# KiCad board raw.kicad_pcb
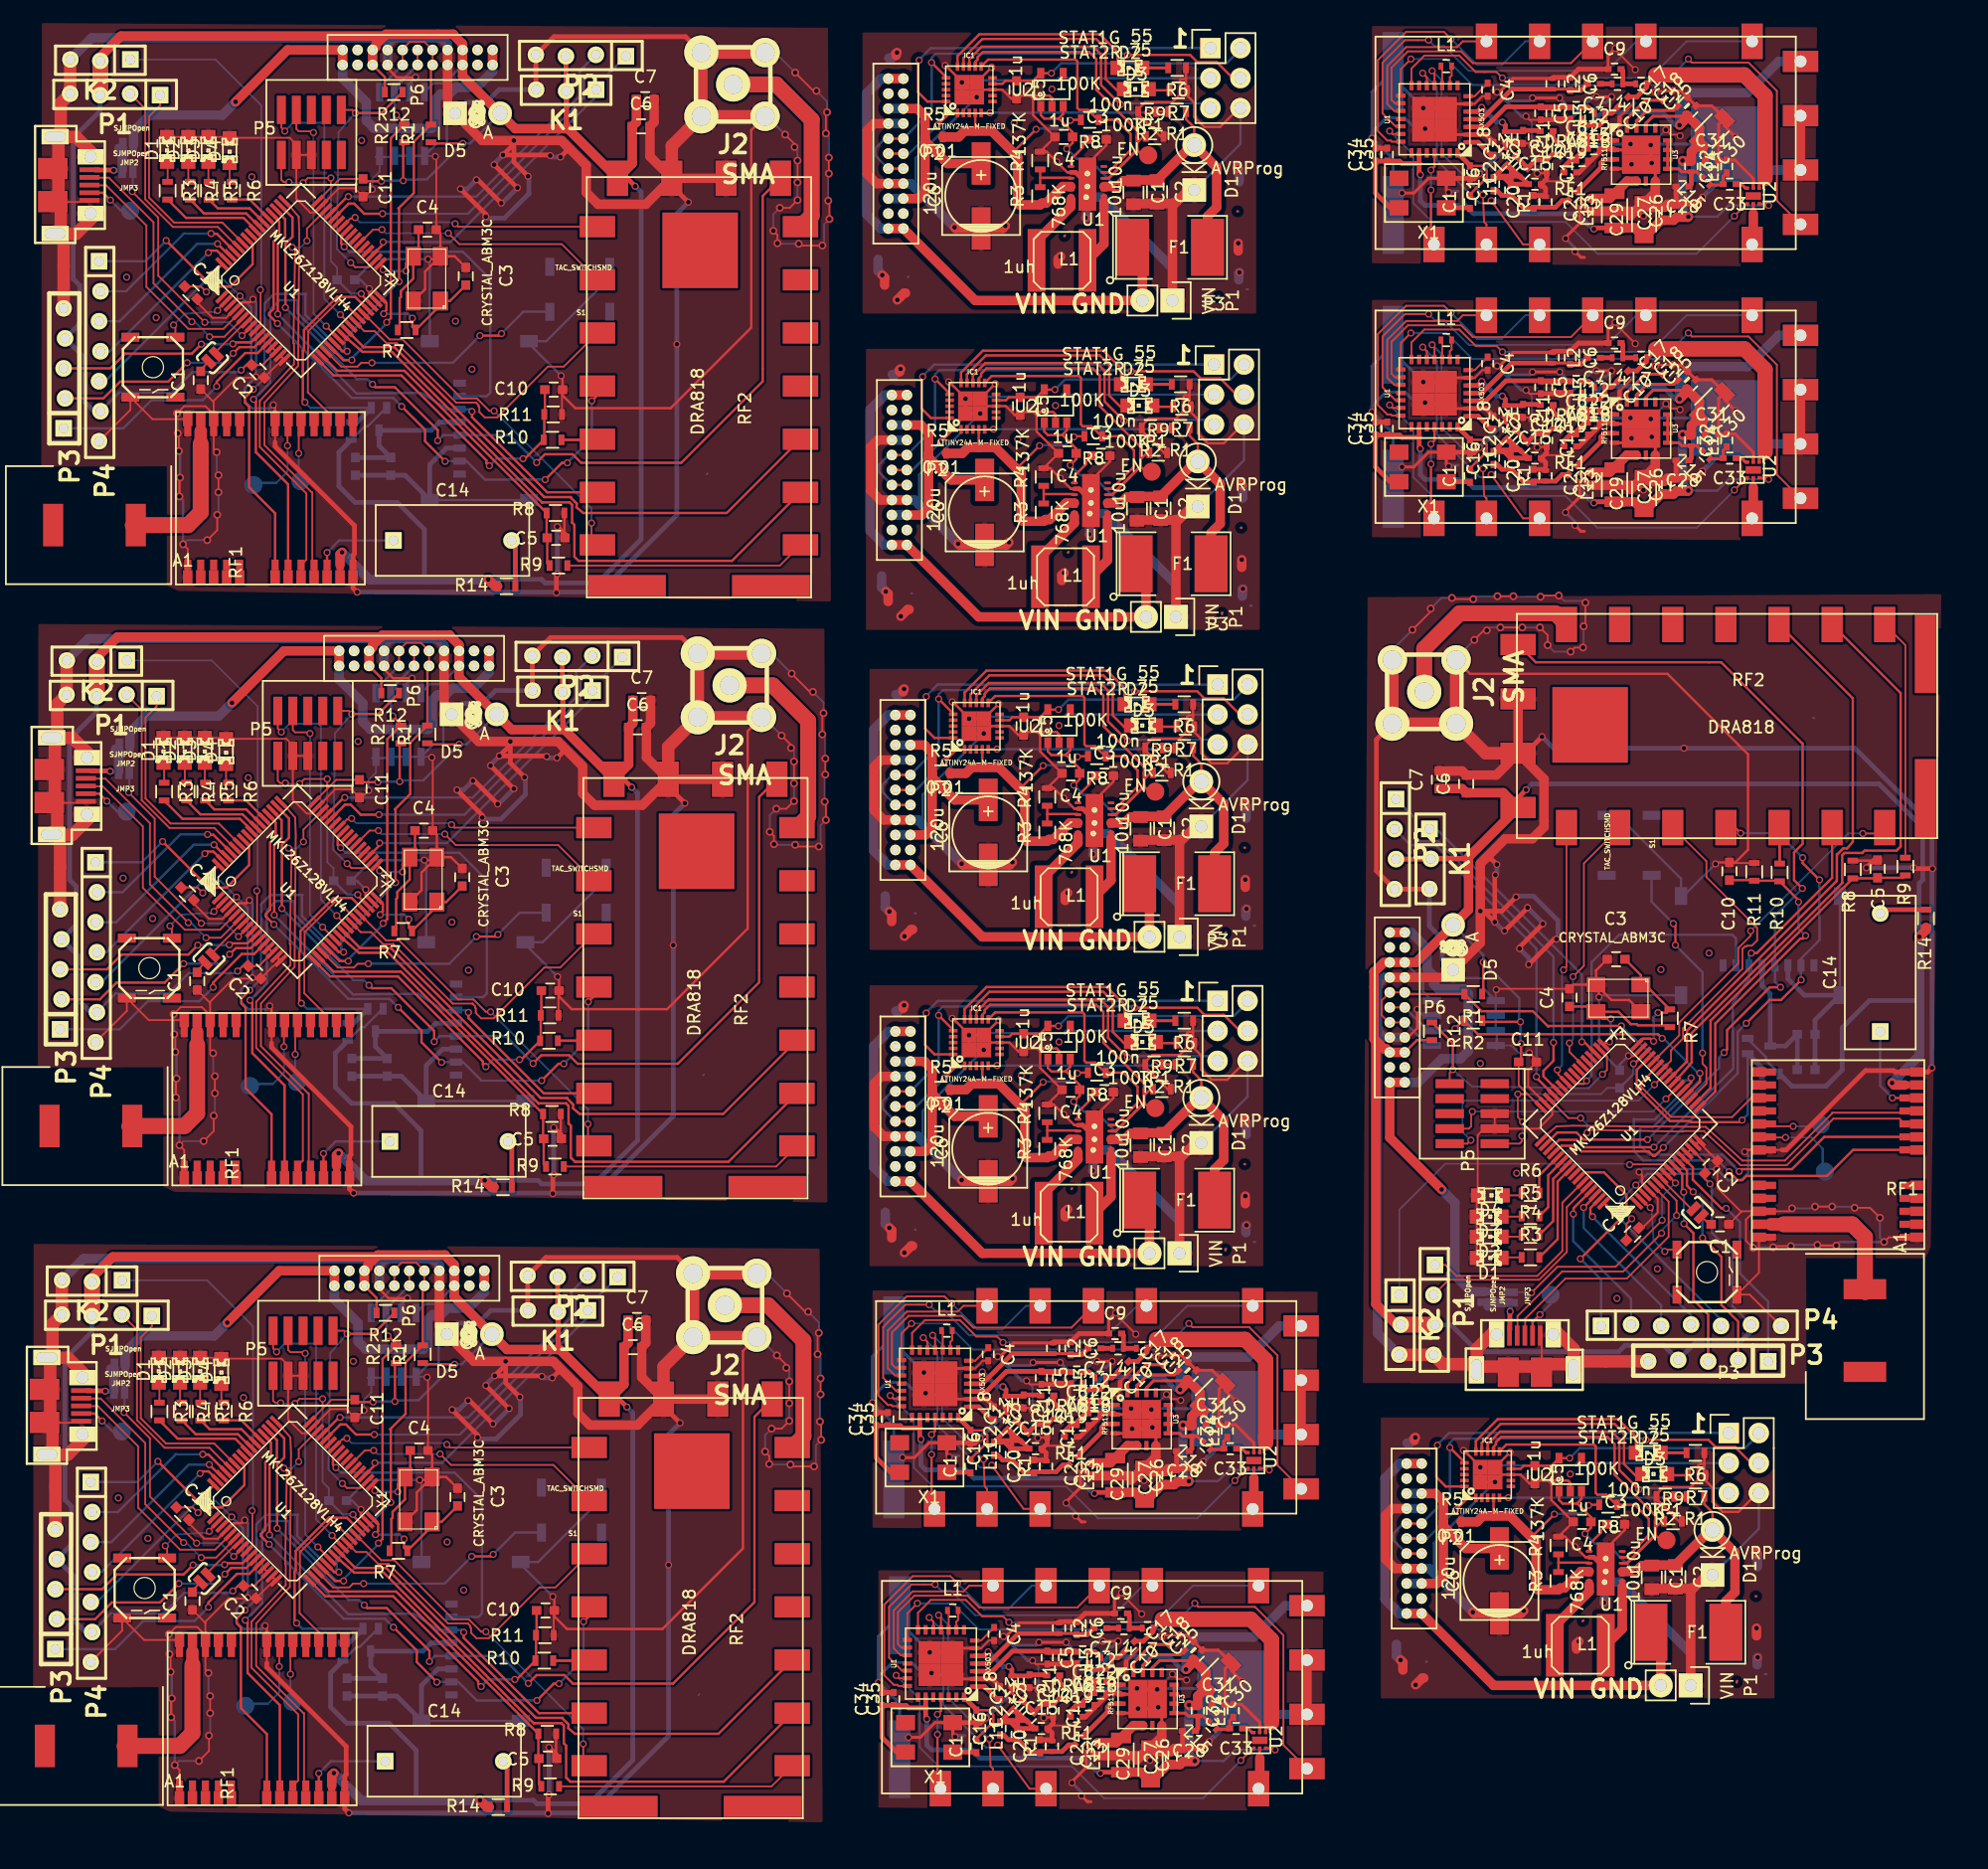
[diagram p0: board, top side]
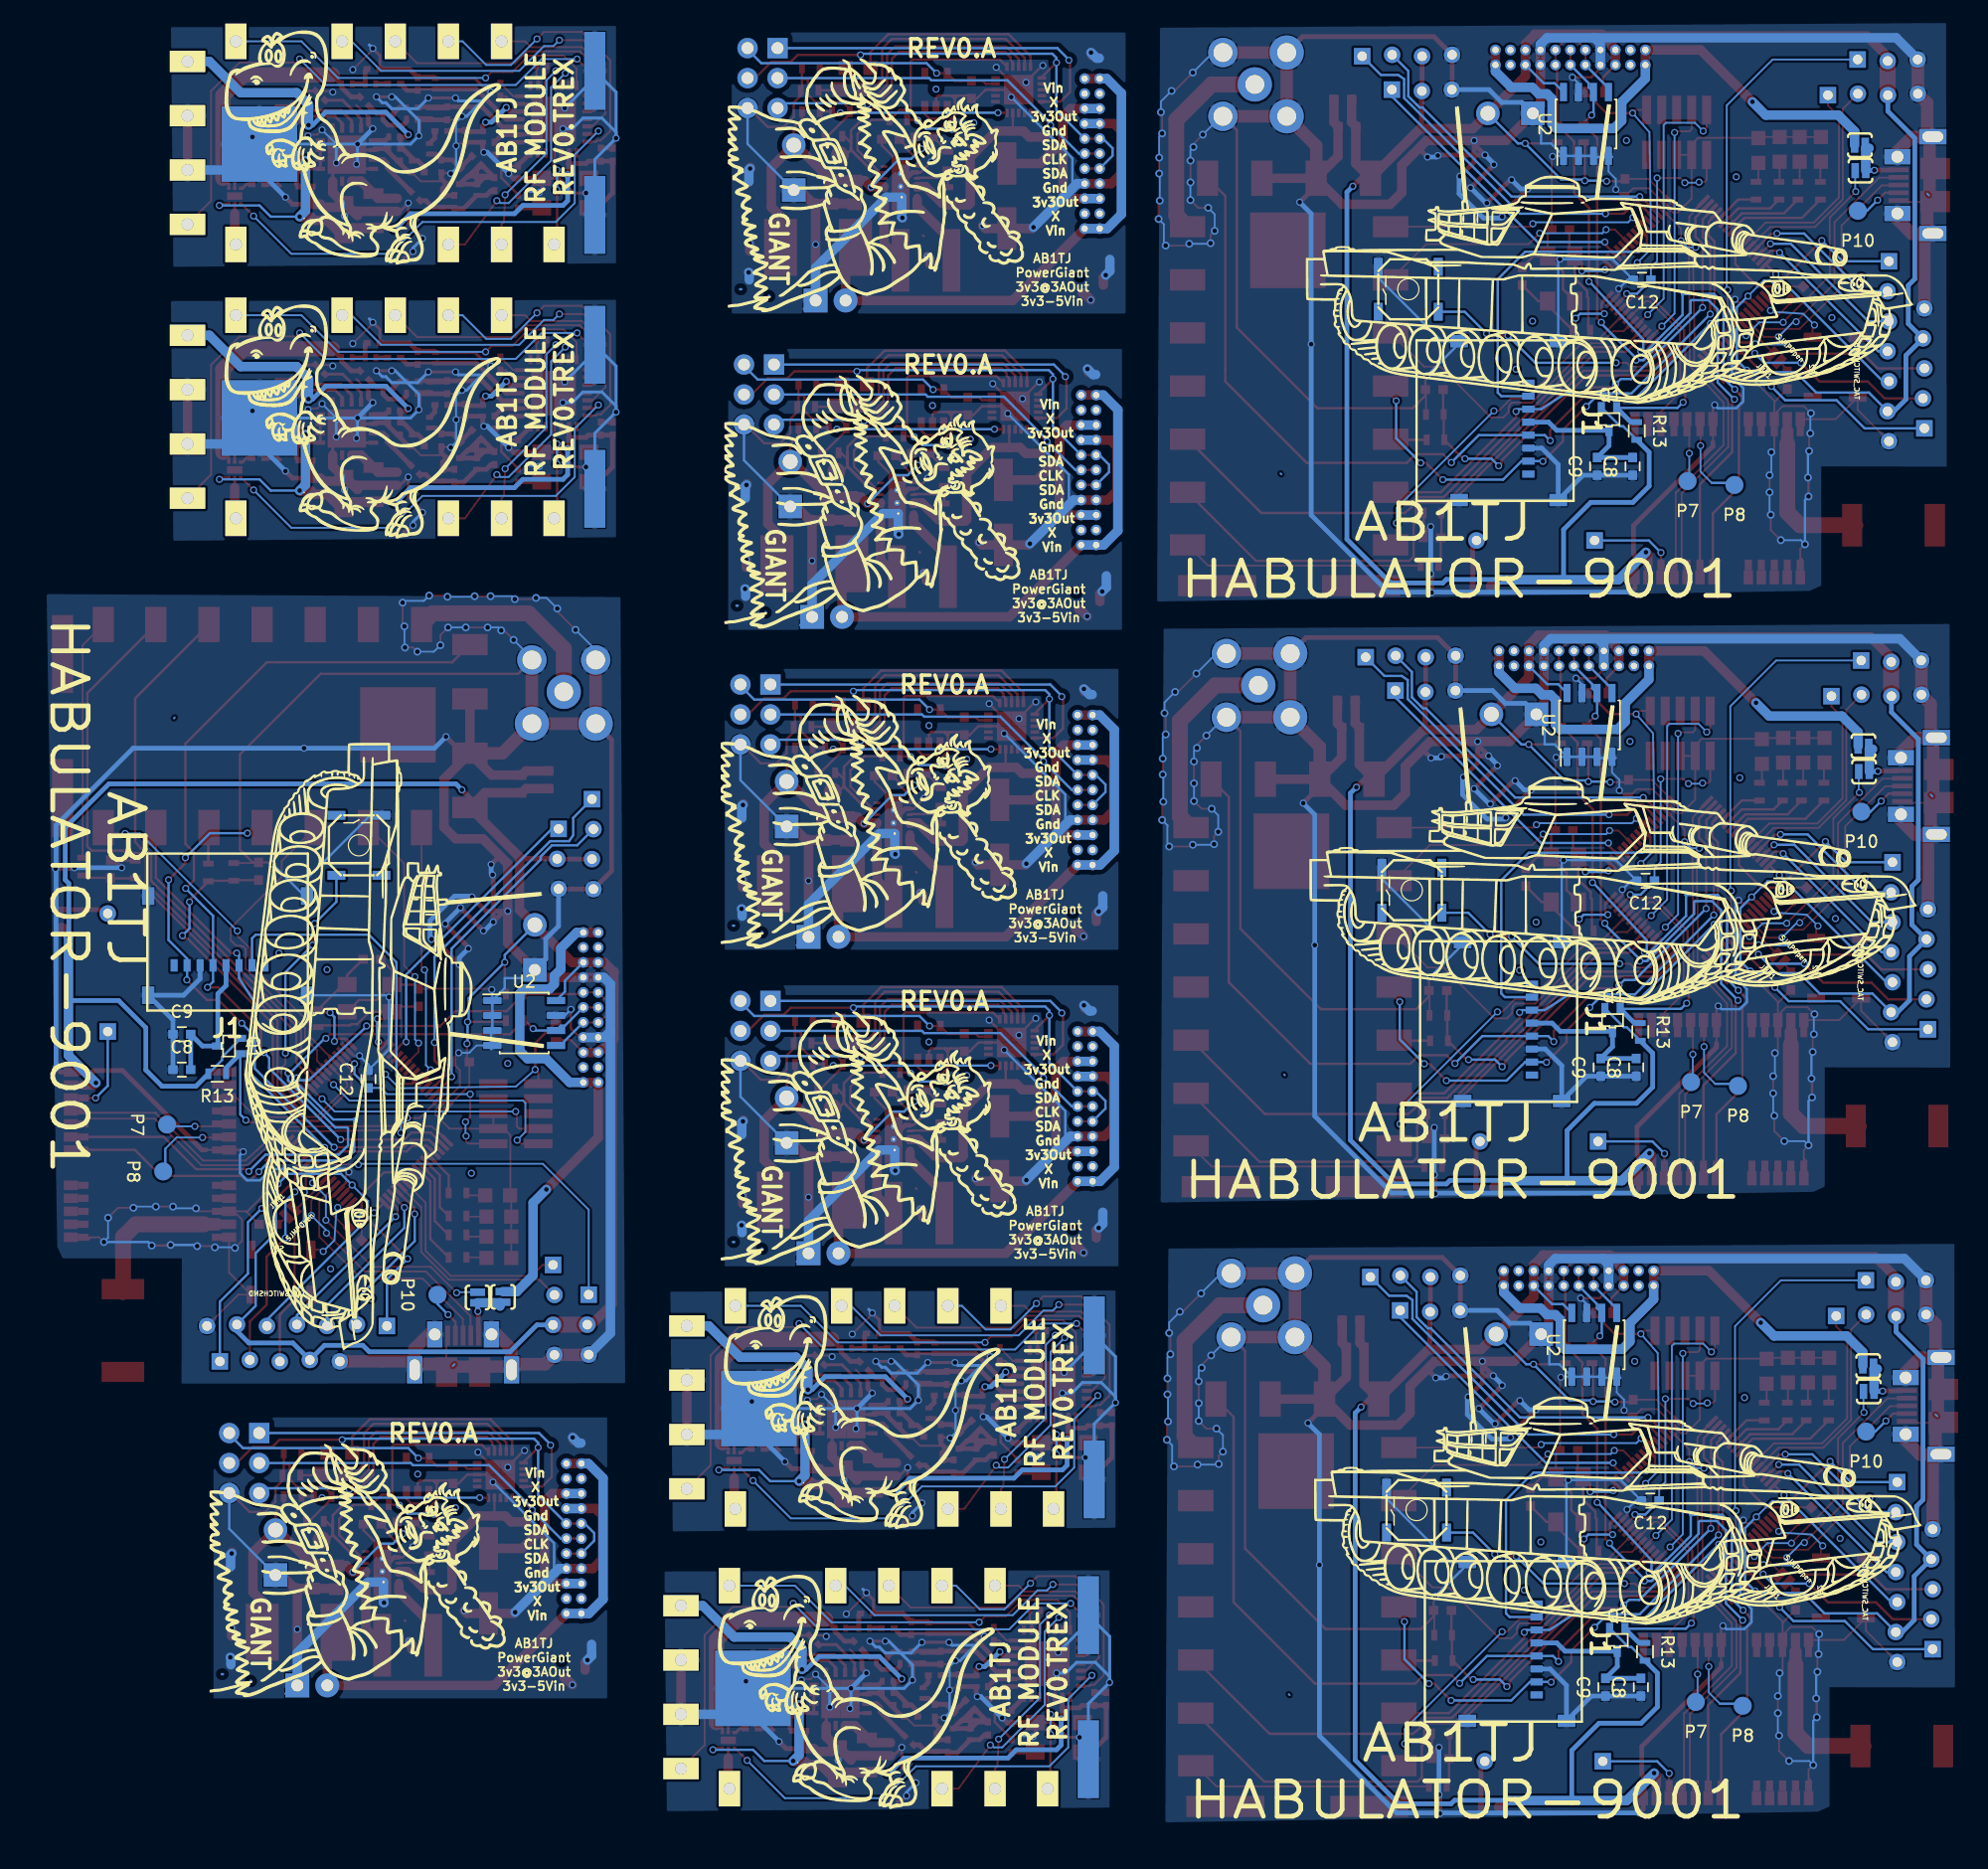
[diagram p1: board, bottom side, seen from below]

No outline. copper layers: Top, Bottom. Coordinates in mm from the lowest, leftmost part position.

## Placement (name value [footprint] x y rotation side)
A1  -  [GPSAnt]  1.53 106.53 0 top
A1#2  -  [GPSAnt]  1.23 55.63 0 top
A1#3  -  [GPSAnt]  0.83 3.12 0 top
A1#4  -  [GPSAnt]  156.98 38.8 90 top
C1  10u  [C_0805]  92.03 137.7 270 top
C1#2  10u  [C_0805]  92.32 110.9 270 top
C1#3  10u  [C_0805]  92.62 83.8 270 top
C1#4  10u  [C_0805]  92.62 57 270 top
C1#5  10u  [C_0805]  135.92 20.4 270 top
C1#6  C  [C_0603]  13.03 121.8 90 top
C1#7  C  [C_0603]  12.73 70.9 90 top
C1#8  C  [C_0603]  12.33 18.4 90 top
C1#9  C  [C_0603]  141.7 50.3 180 top
C1#10  C  [C_0402]  78.22 29.8 90 top
C1#11  C  [C_0402]  78.72 6.1 90 top
C1#12  C  [C_0402]  120.53 136.9 90 top
C1#13  C  [C_0402]  120.53 113.7 90 top
C2  10u  [C_0805]  94.03 137.75 270 top
C2#2  10u  [C_0805]  94.32 110.95 270 top
C2#3  10u  [C_0805]  94.62 83.85 270 top
C2#4  10u  [C_0805]  94.62 57.05 270 top
C2#5  10u  [C_0805]  137.92 20.45 270 top
C2#6  C  [C_0603]  17.88 122.55 135 top
C2#7  C  [C_0603]  17.58 71.65 135 top
C2#8  C  [C_0603]  17.18 19.15 135 top
C2#9  C  [C_0603]  140.95 55.15 225 top
C2#10  C  [C_0402]  78.22 32.3 270 top
C2#11  C  [C_0402]  78.72 8.6 270 top
C2#12  C  [C_0402]  120.53 139.4 270 top
C2#13  C  [C_0402]  120.53 116.2 270 top
C3  100n  [C_0603]  88.97 142.2 0 top
C3#2  100n  [C_0603]  89.28 115.4 0 top
C3#3  100n  [C_0603]  89.57 88.3 0 top
C3#4  100n  [C_0603]  89.57 61.5 0 top
C3#5  100n  [C_0603]  132.88 24.9 0 top
C3#6  C  [C_0603]  35.48 130.6 90 top
C3#7  C  [C_0603]  35.18 79.7 90 top
C3#8  C  [C_0603]  34.77 27.2 90 top
C3#9  C  [C_0603]  132.9 72.75 180 top
C3#10  C  [C_0402]  80.22 34.3 270 top
C3#11  C  [C_0402]  80.72 10.6 270 top
C3#12  C  [C_0402]  122.53 141.4 270 top
C3#13  C  [C_0402]  122.53 118.2 270 top
C4  1u  [C_0603]  86.12 142.4 180 top
C4#2  1u  [C_0603]  86.43 115.6 180 top
C4#3  1u  [C_0603]  86.72 88.5 180 top
C4#4  1u  [C_0603]  86.72 61.7 180 top
C4#5  1u  [C_0603]  130.03 25.1 180 top
C4#6  C  [C_0603]  32.23 134.55 0 top
C4#7  C  [C_0603]  31.93 83.65 0 top
C4#8  C  [C_0603]  31.52 31.15 0 top
C4#9  C  [C_0603]  128.95 69.5 90 top
C4#10  C  [C_0402]  79.72 39.3 270 top
C4#11  C  [C_0402]  80.22 15.6 270 top
C4#12  C  [C_0402]  122.03 146.4 270 top
C4#13  C  [C_0402]  122.03 123.2 270 top
C5  1u  [C_0603]  82.12 146.4 270 top
C5#2  1u  [C_0603]  82.43 119.6 270 top
C5#3  1u  [C_0603]  82.72 92.5 270 top
C5#4  1u  [C_0603]  82.72 65.7 270 top
C5#5  1u  [C_0603]  126.03 29.1 270 top
C5#6  C  [C_0603]  43.12 108.45 0 top
C5#7  C  [C_0603]  42.83 57.55 0 top
C5#8  C  [C_0603]  42.43 5.05 0 top
C5#9  C  [C_0603]  155.05 80.4 90 top
C5#10  10pf  [C_0402]  84.22 37.3 270 top
C5#11  10pf  [C_0402]  84.72 13.6 270 top
C5#12  10pf  [C_0402]  126.53 144.4 270 top
C5#13  10pf  [C_0402]  126.53 121.2 270 top
C6  120u  [c_elec_6.3x7.7]  79.12 137.4 90 top
C6#2  120u  [c_elec_6.3x7.7]  79.43 110.6 90 top
C6#3  120u  [c_elec_6.3x7.7]  79.72 83.5 90 top
C6#4  120u  [c_elec_6.3x7.7]  79.72 56.7 90 top
C6#5  120u  [c_elec_6.3x7.7]  123.03 20.1 90 top
C6#6  C  [C_0603]  50.32 143.3 0 top
C6#7  C  [C_0603]  50.02 92.4 0 top
C6#8  C  [C_0603]  49.63 39.9 0 top
C6#9  C  [C_0603]  120.2 87.6 90 top
C6#10  10pf  [C_0402]  86.72 39.8 270 top
C6#11  10pf  [C_0402]  87.22 16.1 270 top
C6#12  10pf  [C_0402]  129.03 146.9 270 top
C6#13  10pf  [C_0402]  129.03 123.7 270 top
C7  CAPAPOL  [C_0603]  50.68 145.6 0 top
C7#2  CAPAPOL  [C_0603]  50.38 94.7 0 top
C7#3  CAPAPOL  [C_0603]  49.98 42.2 0 top
C7#4  CAPAPOL  [C_0603]  117.9 87.95 90 top
C7#5  10pf  [C_0402]  88.72 39.8 180 top
C7#6  10pf  [C_0402]  89.22 16.1 180 top
C7#7  10pf  [C_0402]  131.03 146.9 180 top
C7#8  10pf  [C_0402]  131.03 123.7 180 top
C8  10pf  [C_0402]  87.22 37.8 180 top
C8#2  10pf  [C_0402]  87.72 14.1 180 top
C8#3  10pf  [C_0402]  129.53 144.9 180 top
C8#4  10pf  [C_0402]  129.53 121.7 180 top
C8#5  C  [C_0603]  26.12 114.5 90 bottom
C8#6  C  [C_0603]  25.83 63.6 90 bottom
C8#7  C  [C_0603]  25.43 11.1 90 bottom
C8#8  C  [C_0603]  149 63.4 180 bottom
C9  12pf  [C_0402]  90.47 41.05 0 top
C9#2  12pf  [C_0402]  90.97 17.35 0 top
C9#3  12pf  [C_0402]  132.78 148.15 0 top
C9#4  12pf  [C_0402]  132.78 124.95 0 top
C9#5  C  [C_0603]  29.12 114.5 90 bottom
C9#6  C  [C_0603]  28.83 63.6 90 bottom
C9#7  C  [C_0603]  28.43 11.1 90 bottom
C9#8  C  [C_0603]  149 66.4 180 bottom
C10  C  [C_0603]  42.93 121 0 top
C10#2  C  [C_0603]  42.62 70.1 0 top
C10#3  C  [C_0603]  42.23 17.6 0 top
C10#4  C  [C_0603]  142.5 80.2 90 top
C10#5  12pf  [C_0402]  91.22 38.3 225 top
C10#6  12pf  [C_0402]  91.72 14.6 225 top
C10#7  12pf  [C_0402]  133.53 145.4 225 top
C10#8  12pf  [C_0402]  133.53 122.2 225 top
C11  C  [C_0603]  26.77 138.1 270 top
C11#2  C  [C_0603]  26.48 87.2 270 top
C11#3  C  [C_0603]  26.08 34.7 270 top
C11#4  C  [C_0603]  125.4 64.05 0 top
C11#5  2.2pf  [C_0402]  82.72 35.3 270 top
C11#6  2.2pf  [C_0402]  83.22 11.6 270 top
C11#7  2.2pf  [C_0402]  125.03 142.4 270 top
C11#8  2.2pf  [C_0402]  125.03 119.2 270 top
C12  22pf  [C_0402]  84.72 35.8 180 top
C12#2  22pf  [C_0402]  85.22 12.1 180 top
C12#3  22pf  [C_0402]  127.03 142.9 180 top
C12#4  22pf  [C_0402]  127.03 119.7 180 top
C12#5  C  [C_0603]  25.33 130.3 0 bottom
C12#6  C  [C_0603]  25.02 79.4 0 bottom
C12#7  C  [C_0603]  24.62 26.9 0 bottom
C12#8  C  [C_0603]  133.2 62.6 90 bottom
C13  C  [C_0603]  12.2 129.2 315 top
C13#2  C  [C_0603]  11.9 78.3 315 top
C13#3  C  [C_0603]  11.5 25.8 315 top
C13#4  C  [C_0603]  134.3 49.48 45 top
C13#5  33pf  [C_0402]  84.72 32.8 270 top
C13#6  33pf  [C_0402]  85.22 9.1 270 top
C13#7  33pf  [C_0402]  127.03 139.9 270 top
C13#8  33pf  [C_0402]  127.03 116.7 270 top
C14  C  [C_Rect_L13_W6_H12_P10]  29.05 57.33 0 top
C14#2  C  [C_Rect_L13_W6_H12_P10]  29.35 108.23 0 top
C14#3  C  [C_Rect_L13_W6_H12_P10]  28.65 4.83 0 top
C14#4  C  [C_Rect_L13_W6_H12_P10]  155.28 66.63 90 top
C14#5  4.7pf  [C_0402]  81.72 33.3 45 top
C14#6  4.7pf  [C_0402]  82.22 9.6 45 top
C14#7  4.7pf  [C_0402]  124.03 140.4 45 top
C14#8  4.7pf  [C_0402]  124.03 117.2 45 top
C15  47pf  [C_0402]  83.72 31.3 0 top
C15#2  47pf  [C_0402]  84.22 7.6 0 top
C15#3  47pf  [C_0402]  126.03 138.4 0 top
C15#4  47pf  [C_0402]  126.03 115.2 0 top
C16  1.8pf  [C_0402]  80.22 31.3 90 top
C16#2  1.8pf  [C_0402]  80.72 7.6 90 top
C16#3  1.8pf  [C_0402]  122.53 138.4 90 top
C16#4  1.8pf  [C_0402]  122.53 115.2 90 top
C17  10nf  [C_0402]  94.97 38.8 45 top
C17#2  10nf  [C_0402]  95.47 15.1 45 top
C17#3  10nf  [C_0402]  137.28 145.9 45 top
C17#4  10nf  [C_0402]  137.28 122.7 45 top
C18  1nf  [C_0402]  96.22 38.3 45 top
C18#2  1nf  [C_0402]  96.72 14.6 45 top
C18#3  1nf  [C_0402]  138.53 145.4 45 top
C18#4  1nf  [C_0402]  138.53 122.2 45 top
C19  10nf  [C_0402]  86.72 32.3 0 top
C19#2  10nf  [C_0402]  87.22 8.6 0 top
C19#3  10nf  [C_0402]  129.03 139.4 0 top
C19#4  10nf  [C_0402]  129.03 116.2 0 top
C20  15pf  [C_0402]  83.62 29.8 90 top
C20#2  15pf  [C_0402]  84.12 6.1 90 top
C20#3  15pf  [C_0402]  125.92 136.9 90 top
C20#4  15pf  [C_0402]  125.92 113.7 90 top
C21  1nf  [C_0402]  87.72 33.3 0 top
C21#2  1nf  [C_0402]  88.22 9.6 0 top
C21#3  1nf  [C_0402]  130.03 140.4 0 top
C21#4  1nf  [C_0402]  130.03 117.2 0 top
C22  27pf  [C_0402]  88.72 34.3 0 top
C22#2  27pf  [C_0402]  89.22 10.6 0 top
C22#3  27pf  [C_0402]  131.03 141.4 0 top
C22#4  27pf  [C_0402]  131.03 118.2 0 top
C23  C  [C_0402]  86.93 30.3 225 top
C23#2  C  [C_0402]  87.43 6.6 225 top
C23#3  C  [C_0402]  129.22 137.4 225 top
C23#4  C  [C_0402]  129.22 114.2 225 top
C24  27pf  [C_0402]  88.47 29.55 90 top
C24#2  27pf  [C_0402]  88.97 5.85 90 top
C24#3  27pf  [C_0402]  130.78 136.65 90 top
C24#4  27pf  [C_0402]  130.78 113.45 90 top
C25  47pf  [C_0402]  96.97 37.55 45 top
C25#2  47pf  [C_0402]  97.47 13.85 45 top
C25#3  47pf  [C_0402]  139.28 144.65 45 top
C25#4  47pf  [C_0402]  139.28 121.45 45 top
C26  1nf  [C_0402]  95.72 29.05 90 top
C26#2  1nf  [C_0402]  96.22 5.35 90 top
C26#3  1nf  [C_0402]  138.03 136.15 90 top
C26#4  1nf  [C_0402]  138.03 112.95 90 top
C27  10nf  [C_0402]  94.72 28.8 90 top
C27#2  10nf  [C_0402]  95.22 5.1 90 top
C27#3  10nf  [C_0402]  137.03 135.9 90 top
C27#4  10nf  [C_0402]  137.03 112.7 90 top
C28  C  [C_0402]  96.22 31.1 180 top
C28#2  C  [C_0402]  96.72 7.4 180 top
C28#3  C  [C_0402]  138.53 138.2 180 top
C28#4  C  [C_0402]  138.53 115 180 top
C29  3.3uf  [C_1206]  92.97 28.3 90 top
C29#2  3.3uf  [C_1206]  93.47 4.6 90 top
C29#3  3.3uf  [C_1206]  135.28 135.4 90 top
C29#4  3.3uf  [C_1206]  135.28 112.2 90 top
C30  3.3uf  [C_1206]  141.03 119.7 225 top
C30#2  3.3uf  [C_1206]  98.72 35.8 225 top
C30#3  3.3uf  [C_1206]  99.22 12.1 225 top
C30#4  3.3uf  [C_1206]  141.03 142.9 225 top
C31  1nf  [C_0402]  98.72 33.3 0 top
C31#2  1nf  [C_0402]  99.22 9.6 0 top
C31#3  1nf  [C_0402]  141.03 140.4 0 top
C31#4  1nf  [C_0402]  141.03 117.2 0 top
C32  56pf  [C_0402]  99.97 32.8 90 top
C32#2  56pf  [C_0402]  100.47 9.1 90 top
C32#3  56pf  [C_0402]  142.28 139.9 90 top
C32#4  56pf  [C_0402]  142.28 116.7 90 top
C33  100pf  [C_0402]  100.22 31.3 180 top
C33#2  100pf  [C_0402]  100.72 7.6 180 top
C33#3  100pf  [C_0402]  142.53 138.4 180 top
C33#4  100pf  [C_0402]  142.53 115.2 180 top
C34  1uf  [C_0402]  70.22 33.8 90 top
C34#2  1uf  [C_0402]  70.72 10.1 90 top
C34#3  1uf  [C_0402]  112.53 140.9 90 top
C34#4  1uf  [C_0402]  112.53 117.7 90 top
C35  100pf  [C_0402]  71.22 33.8 90 top
C35#2  100pf  [C_0402]  71.72 10.1 90 top
C35#3  100pf  [C_0402]  113.53 140.9 90 top
C35#4  100pf  [C_0402]  113.53 117.7 90 top
D1  DIODE  [Diode_DO-41_SOD81_Vertical_KathodeUp]  97.78 84 90 top
D1#2  DIODE  [Diode_DO-41_SOD81_Vertical_KathodeUp]  97.18 137.9 90 top
D1#3  DIODE  [Diode_DO-41_SOD81_Vertical_KathodeUp]  97.47 111.1 90 top
D1#4  DIODE  [Diode_DO-41_SOD81_Vertical_KathodeUp]  97.78 57.2 90 top
D1#5  DIODE  [Diode_DO-41_SOD81_Vertical_KathodeUp]  141.07 20.6 90 top
D1#6  LED  [LED-0805]  10.18 141.35 90 top
D1#7  LED  [LED-0805]  9.88 90.45 90 top
D1#8  LED  [LED-0805]  9.48 37.95 90 top
D1#9  LED  [LED-0805]  122.15 47.45 180 top
D2  STAT1G  [LED-0805]  91.72 148.25 0 top
D2#2  STAT1G  [LED-0805]  92.03 121.45 0 top
D2#3  STAT1G  [LED-0805]  92.32 94.35 0 top
D2#4  STAT1G  [LED-0805]  92.32 67.55 0 top
D2#5  STAT1G  [LED-0805]  135.62 30.95 0 top
D2#6  LED  [LED-0805]  11.98 141.35 90 top
D2#7  LED  [LED-0805]  11.68 90.45 90 top
D2#8  LED  [LED-0805]  11.28 37.95 90 top
D2#9  LED  [LED-0805]  122.15 49.25 180 top
D3  STAT2R  [LED-0805]  92.28 146.45 0 top
D3#2  STAT2R  [LED-0805]  92.57 119.65 0 top
D3#3  STAT2R  [LED-0805]  92.88 92.55 0 top
D3#4  STAT2R  [LED-0805]  92.88 65.75 0 top
D3#5  STAT2R  [LED-0805]  136.17 29.15 0 top
D3#6  LED  [LED-0805]  13.68 141.35 90 top
D3#7  LED  [LED-0805]  13.38 90.45 90 top
D3#8  LED  [LED-0805]  12.98 37.95 90 top
D3#9  LED  [LED-0805]  122.15 50.95 180 top
D4  LED  [LED-0805]  15.48 141.25 90 top
D4#2  LED  [LED-0805]  15.18 90.35 90 top
D4#3  LED  [LED-0805]  14.78 37.85 90 top
D4#4  LED  [LED-0805]  122.25 52.75 180 top
D5  DIODE  [Diode_DO-41_SOD81_Vertical_AnodeUp]  34.58 144.4 0 top
D5#2  DIODE  [Diode_DO-41_SOD81_Vertical_AnodeUp]  34.27 93.5 0 top
D5#3  DIODE  [Diode_DO-41_SOD81_Vertical_AnodeUp]  33.88 41 0 top
D5#4  DIODE  [Diode_DO-41_SOD81_Vertical_AnodeUp]  119.1 71.85 90 top
F1  FUSE  [SMD-2112_Pol]  95.12 133.05 0 top
F1#2  FUSE  [SMD-2112_Pol]  95.43 106.25 0 top
F1#3  FUSE  [SMD-2112_Pol]  95.72 79.15 0 top
F1#4  FUSE  [SMD-2112_Pol]  95.72 52.35 0 top
F1#5  FUSE  [SMD-2112_Pol]  139.03 15.75 0 top
G***  LOGO  [giant]  89.97 138.1 270 bottom
G***#2  LOGO  [giant]  90.28 111.3 270 bottom
G***#3  LOGO  [giant]  90.57 84.2 270 bottom
G***#4  LOGO  [giant]  90.57 57.4 270 bottom
G***#5  LOGO  [giant]  133.88 20.8 270 bottom
G***#6  LOGO  [tank]  28.1 132.53 180 bottom
G***#7  LOGO  [tank]  27.8 81.63 180 bottom
G***#8  LOGO  [tank]  27.4 29.12 180 bottom
G***#9  LOGO  [tank]  130.98 65.38 270 bottom
G***#10  LOGO  [TREX]  92.12 34.4 180 bottom
G***#11  LOGO  [TREX]  92.62 10.7 180 bottom
G***#12  LOGO  [TREX]  134.42 141.5 180 bottom
G***#13  LOGO  [TREX]  134.42 118.3 180 bottom
IC1  ATTINY24A-M-FIXED  [qfn-20]  78.12 146.4 0 top
IC1#2  ATTINY24A-M-FIXED  [qfn-20]  78.43 119.6 0 top
IC1#3  ATTINY24A-M-FIXED  [qfn-20]  78.72 92.5 0 top
IC1#4  ATTINY24A-M-FIXED  [qfn-20]  78.72 65.7 0 top
IC1#5  ATTINY24A-M-FIXED  [qfn-20]  122.03 29.1 0 top
J1  MicroSD  [MICRO_SD_HINGE_AMP]  44.43 118.38 90 bottom
J1#2  MicroSD  [MICRO_SD_HINGE_AMP]  44.12 67.48 90 bottom
J1#3  MicroSD  [MICRO_SD_HINGE_AMP]  43.73 14.98 90 bottom
J1#4  MicroSD  [MICRO_SD_HINGE_AMP]  145.13 81.7 180 bottom
J2  -  [SMA]  58.13 146.85 0 top
J2#2  -  [SMA]  57.82 95.95 0 top
J2#3  -  [SMA]  57.43 43.45 0 top
J2#4  -  [SMA]  116.65 95.4 90 top
JMP1  SJMPOpen  [SparkFun-SJ_2S-NO]  14.03 123.7 225 top
JMP1#2  SJMPOpen  [SparkFun-SJ_2S-NO]  13.73 72.8 225 top
JMP1#3  SJMPOpen  [SparkFun-SJ_2S-NO]  13.33 20.3 225 top
JMP1#4  SJMPOpen  [SparkFun-SJ_2S-NO]  139.8 51.3 315 top
JMP2  SJMPOpen  [SparkFun-SJ_2S-NO]  6.88 141.7 0 bottom
JMP2#2  SJMPOpen  [SparkFun-SJ_2S-NO]  6.58 90.8 0 bottom
JMP2#3  SJMPOpen  [SparkFun-SJ_2S-NO]  6.18 38.3 0 bottom
JMP2#4  SJMPOpen  [SparkFun-SJ_2S-NO]  121.8 44.15 90 bottom
JMP3  SJMPOpen  [SparkFun-SJ_2S-NO]  6.83 139.55 0 bottom
JMP3#2  SJMPOpen  [SparkFun-SJ_2S-NO]  6.53 88.65 0 bottom
JMP3#3  SJMPOpen  [SparkFun-SJ_2S-NO]  6.12 36.15 0 bottom
JMP3#4  SJMPOpen  [SparkFun-SJ_2S-NO]  123.95 44.1 90 bottom
K1  PWMOut  [CONN_1x3]  43.98 146.35 0 top
K1#2  PWMOut  [CONN_1x3]  43.68 95.45 0 top
K1#3  PWMOut  [CONN_1x3]  43.27 42.95 0 top
K1#4  PWMOut  [CONN_1x3]  117.15 81.25 90 top
K2  ADC1  [CONN_1x3]  4.53 148.9 0 top
K2#2  ADC1  [CONN_1x3]  4.23 98 0 top
K2#3  ADC1  [CONN_1x3]  3.83 45.5 0 top
K2#4  ADC1  [CONN_1x3]  114.6 41.8 90 top
L1  1uh  [SELF-WE-TPC_M]  85.97 131.95 180 top
L1#2  1uh  [SELF-WE-TPC_M]  86.28 105.15 180 top
L1#3  1uh  [SELF-WE-TPC_M]  86.57 78.05 180 top
L1#4  1uh  [SELF-WE-TPC_M]  86.57 51.25 180 top
L1#5  1uh  [SELF-WE-TPC_M]  129.88 14.65 180 top
L1#6  INDUCTOR  [R_0402]  76.22 41.3 0 top
L1#7  INDUCTOR  [R_0402]  76.72 17.6 0 top
L1#8  INDUCTOR  [R_0402]  118.53 148.4 0 top
L1#9  INDUCTOR  [R_0402]  118.53 125.2 0 top
L2  150nH  [R_0402]  85.22 39.8 270 top
L2#2  150nH  [R_0402]  85.72 16.1 270 top
L2#3  150nH  [R_0402]  127.53 146.9 270 top
L2#4  150nH  [R_0402]  127.53 123.7 270 top
L3  150nH  [R_0402]  85.72 37.3 270 top
L3#2  150nH  [R_0402]  86.22 13.6 270 top
L3#3  150nH  [R_0402]  128.03 144.4 270 top
L3#4  150nH  [R_0402]  128.03 121.2 270 top
L4  120nH  [R_0402]  90.72 39.8 180 top
L4#2  120nH  [R_0402]  91.22 16.1 180 top
L4#3  120nH  [R_0402]  133.03 146.9 180 top
L4#4  120nH  [R_0402]  133.03 123.7 180 top
L5  120nH  [R_0402]  89.22 37.3 180 top
L5#2  120nH  [R_0402]  89.72 13.6 180 top
L5#3  120nH  [R_0402]  131.53 144.4 180 top
L5#4  120nH  [R_0402]  131.53 121.2 180 top
L6  68nH  [R_0402]  87.22 36.8 180 top
L6#2  68nH  [R_0402]  87.72 13.1 180 top
L6#3  68nH  [R_0402]  129.53 143.9 180 top
L6#4  68nH  [R_0402]  129.53 120.7 180 top
L7  68nH  [R_0402]  92.72 39.8 180 top
L7#2  68nH  [R_0402]  93.22 16.1 180 top
L7#3  68nH  [R_0402]  135.03 146.9 180 top
L7#4  68nH  [R_0402]  135.03 123.7 180 top
L8  150nh  [R_0402]  81.22 35.3 90 top
L8#2  150nh  [R_0402]  81.72 11.6 90 top
L8#3  150nh  [R_0402]  123.53 142.4 90 top
L8#4  150nh  [R_0402]  123.53 119.2 90 top
L9  120nH  [R_0402]  85.72 34.3 90 top
L9#2  120nH  [R_0402]  86.22 10.6 90 top
L9#3  120nH  [R_0402]  128.03 141.4 90 top
L9#4  120nH  [R_0402]  128.03 118.2 90 top
L10  39nH  [R_0402]  82.72 32.3 45 top
L10#2  39nH  [R_0402]  83.22 8.6 45 top
L10#3  39nH  [R_0402]  125.03 139.4 45 top
L10#4  39nH  [R_0402]  125.03 116.2 45 top
L11  47nH  [R_0402]  81.72 30.8 90 top
L11#2  47nH  [R_0402]  82.22 7.1 90 top
L11#3  47nH  [R_0402]  124.03 137.9 90 top
L11#4  47nH  [R_0402]  124.03 114.7 90 top
L12  8.2nH  [R_0402]  88.72 35.3 0 top
L12#2  8.2nH  [R_0402]  89.22 11.6 0 top
L12#3  8.2nH  [R_0402]  131.03 142.4 0 top
L12#4  8.2nH  [R_0402]  131.03 119.2 0 top
L13  33nH  [R_1206]  90.47 29.05 90 top
L13#2  33nH  [R_1206]  90.97 5.35 90 top
L13#3  33nH  [R_1206]  132.78 136.15 90 top
L13#4  33nH  [R_1206]  132.78 112.95 90 top
L14  1uH  [R_0402]  96.97 32.8 270 top
L14#2  1uH  [R_0402]  97.47 9.1 270 top
L14#3  1uH  [R_0402]  139.28 139.9 270 top
L14#4  1uH  [R_0402]  139.28 116.7 270 top
L15  15nH  [R_0402]  98.22 31.55 135 top
L15#2  15nH  [R_0402]  98.72 7.85 135 top
L15#3  15nH  [R_0402]  140.53 138.65 135 top
L15#4  15nH  [R_0402]  140.53 115.45 135 top
P1  VIN  [Pin_Header_Straight_1x02]  95.32 128.55 270 top
P1#2  VIN  [Pin_Header_Straight_1x02]  95.62 101.75 270 top
P1#3  VIN  [Pin_Header_Straight_1x02]  95.93 74.65 270 top
P1#4  VIN  [Pin_Header_Straight_1x02]  95.93 47.85 270 top
P1#5  VIN  [Pin_Header_Straight_1x02]  139.22 11.25 270 top
P1#6  UART  [CONN_1x4]  5.78 146 0 top
P1#7  UART  [CONN_1x4]  5.48 95.1 0 top
P1#8  UART  [CONN_1x4]  5.08 42.6 0 top
P1#9  UART  [CONN_1x4]  117.5 43.05 90 top
P2  CONN_11X2  [1.27mmPitchHeader11X2]  72.53 139.72 0 top
P2#2  CONN_11X2  [1.27mmPitchHeader11X2]  72.84 112.92 0 top
P2#3  CONN_11X2  [1.27mmPitchHeader11X2]  73.13 85.82 0 top
P2#4  CONN_11X2  [1.27mmPitchHeader11X2]  73.13 59.02 0 top
P2#5  CONN_11X2  [1.27mmPitchHeader11X2]  116.44 22.42 0 top
P2#6  I2C  [CONN_1x4]  45.23 149.3 0 top
P2#7  I2C  [CONN_1x4]  44.93 98.4 0 top
P2#8  I2C  [CONN_1x4]  44.52 45.9 0 top
P2#9  I2C  [CONN_1x4]  114.2 82.5 90 top
P3  AVRProg  [Pin_Header_Straight_2x03]  98.55 149.93 0 top
P3#2  AVRProg  [Pin_Header_Straight_2x03]  98.85 123.13 0 top
P3#3  AVRProg  [Pin_Header_Straight_2x03]  99.15 96.03 0 top
P3#4  AVRProg  [Pin_Header_Straight_2x03]  142.45 32.62 0 top
P3#5  AVRProg  [Pin_Header_Straight_2x03]  99.15 69.23 0 top
P3#6  ADC2  [CONN_1x5]  1.48 122.8 270 top
P3#7  ADC2  [CONN_1x5]  1.18 71.9 270 top
P3#8  ADC2  [CONN_1x5]  0.78 19.4 270 top
P3#9  ADC2  [CONN_1x5]  140.7 38.75 0 top
P4  CONN_7  [CONN_1x7]  4.48 124.25 90 top
P4#2  CONN_7  [CONN_1x7]  4.18 73.35 90 top
P4#3  CONN_7  [CONN_1x7]  3.78 20.85 90 top
P4#4  CONN_7  [CONN_1x7]  139.25 41.75 180 top
P5  CONN_5X2  [CortexDebug]  21.12 142.15 0 top
P5#2  CONN_5X2  [CortexDebug]  20.83 91.25 0 top
P5#3  CONN_5X2  [CortexDebug]  20.43 38.75 0 top
P5#4  CONN_5X2  [CortexDebug]  121.35 58.4 90 top
P6  CONN_11X2  [1.27mmPitchHeader11X2]  30.12 148.5 270 top
P6#2  CONN_11X2  [1.27mmPitchHeader11X2]  29.83 97.6 270 top
P6#3  CONN_11X2  [1.27mmPitchHeader11X2]  29.43 45.1 270 top
P6#4  CONN_11X2  [1.27mmPitchHeader11X2]  115 67.4 0 top
P7  GPSDM  [Measurement_Point_Round-SMD-Pad_Small]  21.48 113.25 0 bottom
P7#2  GPSDM  [Measurement_Point_Round-SMD-Pad_Small]  21.18 62.35 0 bottom